# EAGLE board working (EAGLE 9.6.2), part 19 of 28
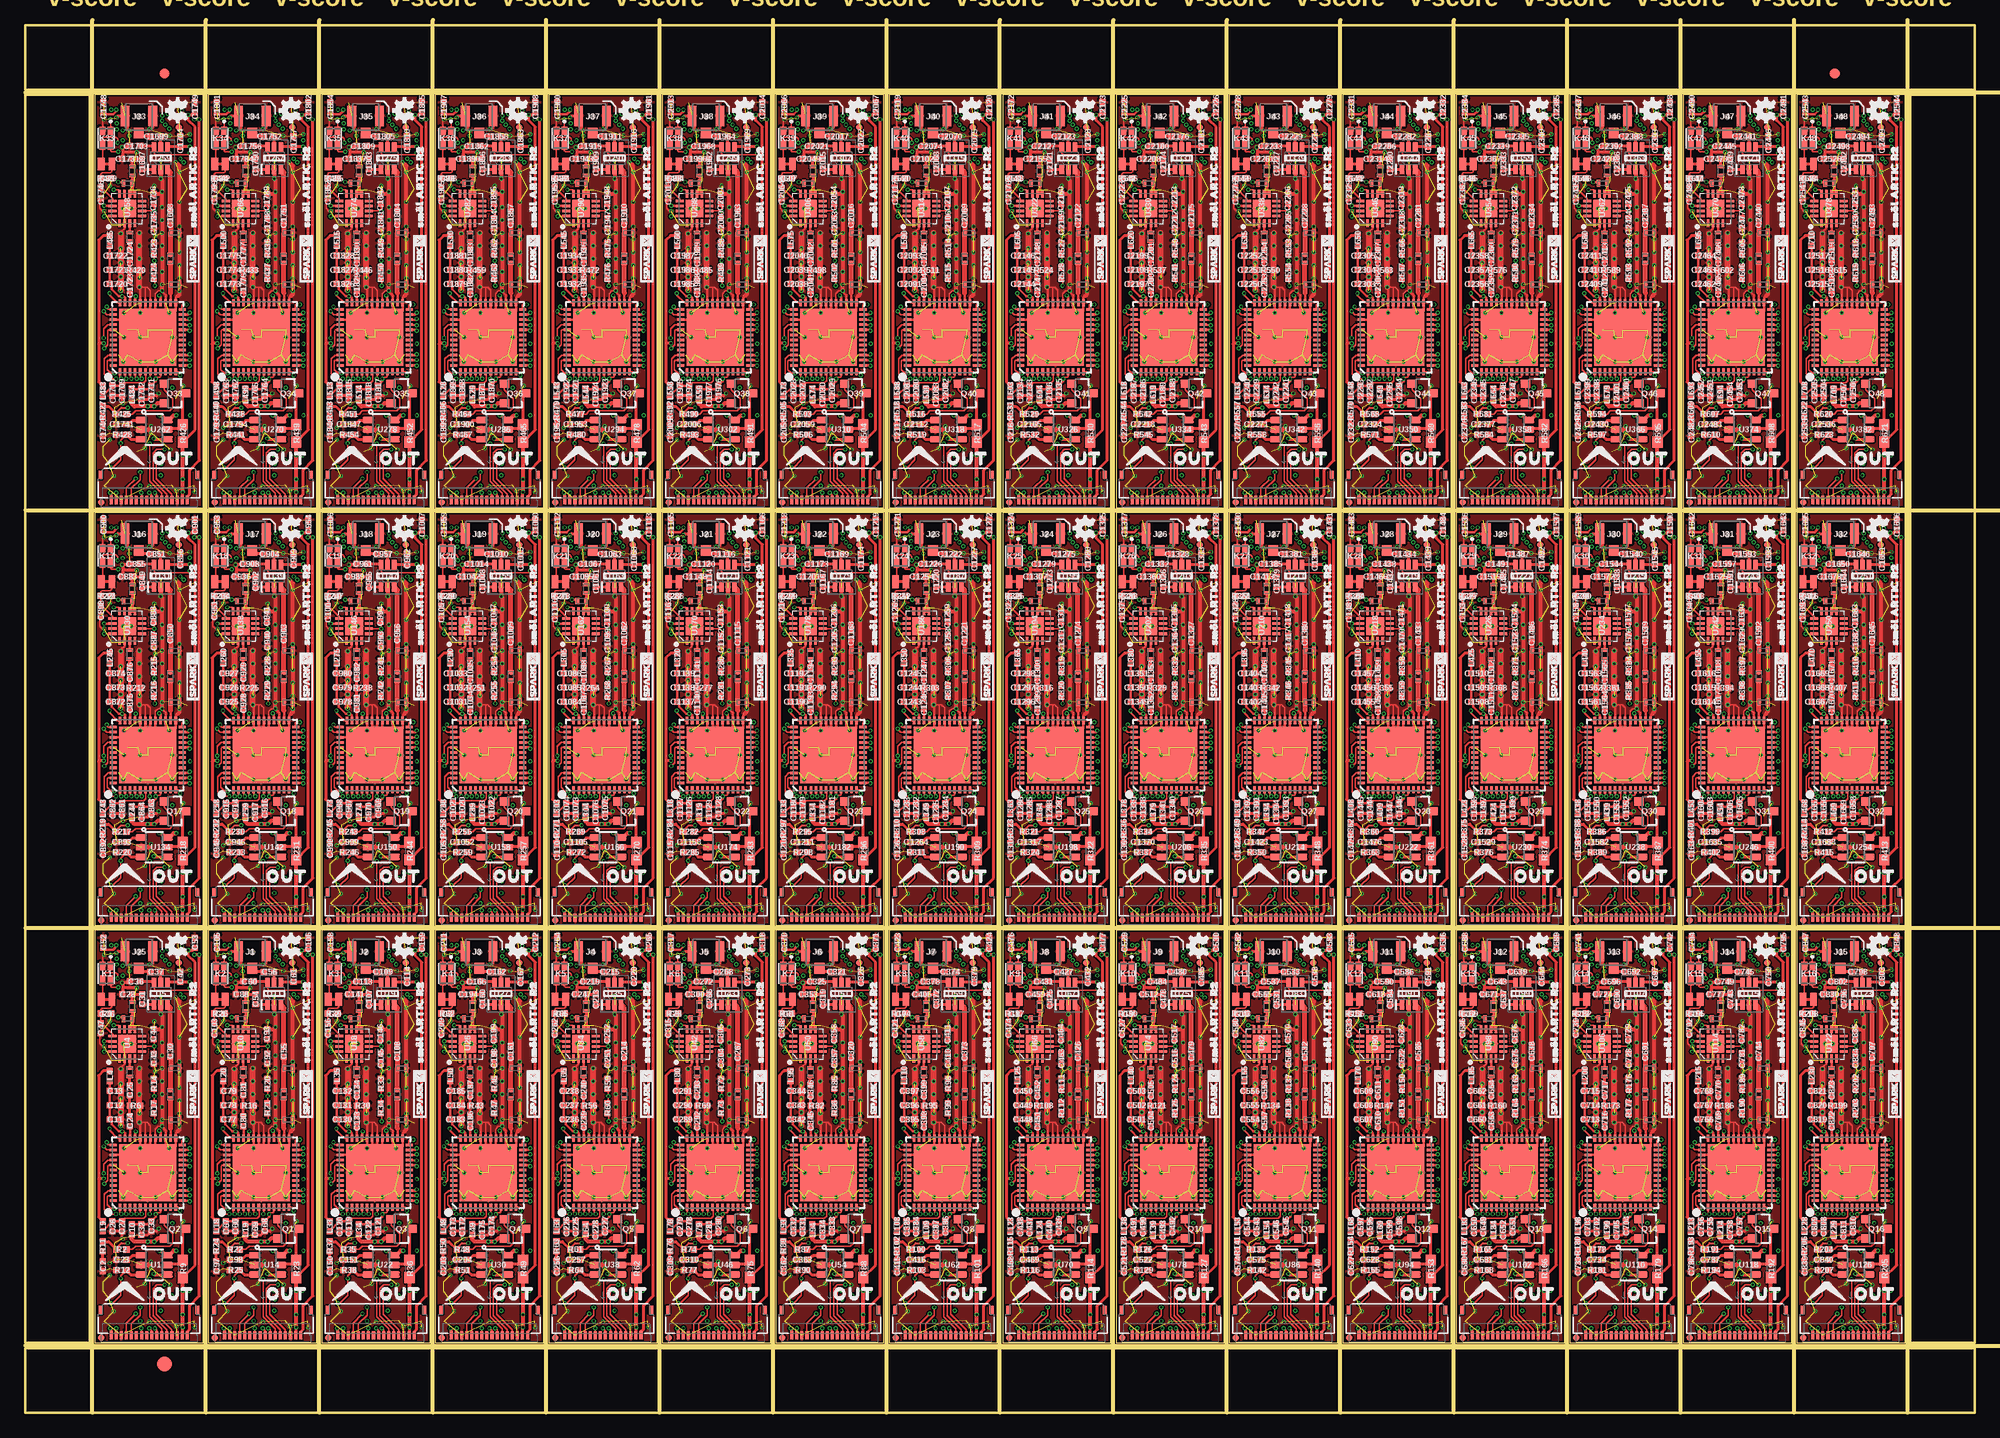
[diagram p0: board, top side]
## Tracks (layer width: path | path; a pad name or v marks a point on that pad's centre or on a via) (continued)
GPIO2  (via drill 0.2) (continued)
  Top 0.152: R25.1 21.14,14.03 20.57,13.46 v20.57,13.21 20.57,11.56 19.8,10.78 v19.61,10.78
  Top 0.305: R25.1 21.58,13.59 U14.3
  Route15 0.127: v21.42,43.48 19.86,43.48 19.61,43.23 19.61,40.19 20.71,39.09 20.71,37.84 20.15,37.28 20.15,34.9 19.61,34.36 19.61,29.23 20.14,28.7 20.14,27.68 20.51,27.31 20.51,21.65 19.47,20.61 19.47,17.04 20.57,15.94 v20.57,13.21
  Bottom 0.152: v21.42,43.48 21.74,43.48 22.62,44.36 IN1.10 | v19.61,10.78 19.48,10.65 18.68,10.65 GPIO1.1
GPIO3  (via drill 0.2)
  Top 0.152: OUT1.10 22.62,8.31 v22.61,8.32
  Route15 0.127: v20.76,44.01 20.5,43.74 19.51,43.74 19.33,43.56 19.33,39.34 20.27,38.41 20.27,37.86 19.87,37.46 19.87,35.05 19.33,34.51 19.33,29.11 19.86,28.58 19.86,27.57 20.25,27.17 20.25,21.79 19.21,20.75 19.21,16.9 19.89,16.23 19.89,11.04 20.18,10.74 22.64,10.74 22.87,10.51 22.87,8.58 v22.61,8.32
  Bottom 0.152: IN1.11 22.12,45.36 v20.76,44.01
GPIO4  (via drill 0.2)
  Top 0.152: R38.1 32.31,14.03 31.75,13.46 v31.75,13.21 31.75,11.56 30.97,10.78 v30.78,10.78
  Top 0.305: R38.1 32.76,13.59 U22.3
  Route15 0.127: v32.59,43.48 31.03,43.48 30.79,43.23 30.79,40.19 31.89,39.09 31.89,37.84 31.33,37.28 31.33,34.9 30.79,34.36 30.79,29.23 31.32,28.7 31.32,27.68 31.69,27.31 31.69,21.65 30.64,20.61 30.64,17.04 31.75,15.94 v31.75,13.21
  Bottom 0.152: v32.59,43.48 32.91,43.48 33.79,44.36 IN2.10 | v30.78,10.78 30.66,10.65 29.86,10.65 GPIO2.1
GPIO5  (via drill 0.2)
  Top 0.152: OUT2.10 33.79,8.31 v33.78,8.32
  Route15 0.127: v31.94,44.01 31.68,43.74 30.69,43.74 30.5,43.56 30.5,39.34 31.44,38.41 31.44,37.86 31.05,37.46 31.05,35.05 30.5,34.51 30.5,29.11 31.04,28.58 31.04,27.57 31.43,27.17 31.43,21.79 30.39,20.75 30.39,16.9 31.06,16.23 31.06,11.04 31.36,10.74 33.82,10.74 34.05,10.51 34.05,8.58 v33.78,8.32
  Bottom 0.152: IN2.11 33.29,45.36 v31.94,44.01
GPIO6  (via drill 0.2)
  Top 0.152: R51.1 43.49,14.03 42.93,13.46 v42.93,13.21 42.93,11.56 42.15,10.78 v41.96,10.78
  Top 0.305: R51.1 43.93,13.59 U30.3
  Route15 0.127: v43.77,43.48 42.21,43.48 41.96,43.23 41.96,40.19 43.06,39.09 43.06,37.84 42.5,37.28 42.5,34.9 41.96,34.36 41.96,29.23 42.49,28.7 42.49,27.68 42.86,27.31 42.86,21.65 41.82,20.61 41.82,17.04 42.93,15.94 v42.93,13.21
  Bottom 0.152: v43.77,43.48 44.09,43.48 44.97,44.36 IN3.10 | v41.96,10.78 41.83,10.65 41.03,10.65 GPIO3.1
GPIO7  (via drill 0.2)
  Top 0.152: OUT3.10 44.97,8.31 v44.96,8.32
  Route15 0.127: v43.12,44.01 42.85,43.74 41.86,43.74 41.68,43.56 41.68,39.34 42.62,38.41 42.62,37.86 42.23,37.46 42.23,35.05 41.68,34.51 41.68,29.11 42.21,28.58 42.21,27.57 42.61,27.17 42.61,21.79 41.57,20.75 41.57,16.9 42.24,16.23 42.24,11.04 42.53,10.74 44.99,10.74 45.22,10.51 45.22,8.58 v44.96,8.32
  Bottom 0.152: IN3.11 44.47,45.36 v43.12,44.01
GPIO8  (via drill 0.2)
  Top 0.152: R64.1 54.66,14.03 54.1,13.46 v54.1,13.21 54.1,11.56 53.33,10.78 v53.13,10.78
  Top 0.305: R64.1 55.11,13.59 U38.3
  Route15 0.127: v54.95,43.48 53.38,43.48 53.14,43.23 53.14,40.19 54.24,39.09 54.24,37.84 53.68,37.28 53.68,34.9 53.14,34.36 53.14,29.23 53.67,28.7 53.67,27.68 54.04,27.31 54.04,21.65 53,20.61 53,17.04 54.1,15.94 v54.1,13.21
  Bottom 0.152: v54.95,43.48 55.26,43.48 56.15,44.36 IN4.10 | v53.13,10.78 53.01,10.65 52.21,10.65 GPIO4.1
GPIO9  (via drill 0.2)
  Top 0.152: OUT4.10 56.15,8.31 v56.13,8.32
  Route15 0.127: v54.29,44.01 54.03,43.74 53.04,43.74 52.86,43.56 52.86,39.34 53.8,38.41 53.8,37.86 53.4,37.46 53.4,35.05 52.86,34.51 52.86,29.11 53.39,28.58 53.39,27.57 53.78,27.17 53.78,21.79 52.74,20.75 52.74,16.9 53.41,16.23 53.41,11.04 53.71,10.74 56.17,10.74 56.4,10.51 56.4,8.58 v56.13,8.32
  Bottom 0.152: IN4.11 55.65,45.36 v54.29,44.01
GPIO10  (via drill 0.2)
  Top 0.152: R77.1 65.84,14.03 65.28,13.46 v65.28,13.21 65.28,11.56 64.5,10.78 v64.31,10.78
  Top 0.305: R77.1 66.28,13.59 U46.3
  Route15 0.127: v66.12,43.48 64.56,43.48 64.31,43.23 64.31,40.19 65.42,39.09 65.42,37.84 64.86,37.28 64.86,34.9 64.31,34.36 64.31,29.23 64.84,28.7 64.84,27.68 65.21,27.31 65.21,21.65 64.17,20.61 64.17,17.04 65.28,15.94 v65.28,13.21
  Bottom 0.152: v66.12,43.48 66.44,43.48 67.32,44.36 IN5.10 | v64.31,10.78 64.18,10.65 63.39,10.65 GPIO5.1
GPIO11  (via drill 0.2)
  Top 0.152: OUT5.10 67.32,8.31 v67.31,8.32
  Route15 0.127: v65.47,44.01 65.2,43.74 64.21,43.74 64.03,43.56 64.03,39.34 64.97,38.41 64.97,37.86 64.58,37.46 64.58,35.05 64.03,34.51 64.03,29.11 64.56,28.58 64.56,27.57 64.96,27.17 64.96,21.79 63.92,20.75 63.92,16.9 64.59,16.23 64.59,11.04 64.89,10.74 67.34,10.74 67.58,10.51 67.58,8.58 v67.31,8.32
  Bottom 0.152: IN5.11 66.82,45.36 v65.47,44.01
GPIO12  (via drill 0.2)
  Top 0.152: R90.1 77.02,14.03 76.45,13.46 v76.45,13.21 76.45,11.56 75.68,10.78 v75.49,10.78
  Top 0.305: R90.1 77.46,13.59 U54.3
  Route15 0.127: v77.3,43.48 75.74,43.48 75.49,43.23 75.49,40.19 76.59,39.09 76.59,37.84 76.03,37.28 76.03,34.9 75.49,34.36 75.49,29.23 76.02,28.7 76.02,27.68 76.39,27.31 76.39,21.65 75.35,20.61 75.35,17.04 76.45,15.94 v76.45,13.21
  Bottom 0.152: v77.3,43.48 77.62,43.48 78.5,44.36 IN6.10 | v75.49,10.78 75.36,10.65 74.56,10.65 GPIO6.1
GPIO13  (via drill 0.2)
  Top 0.152: OUT6.10 78.5,8.31 v78.49,8.32
  Route15 0.127: v76.65,44.01 76.38,43.74 75.39,43.74 75.21,43.56 75.21,39.34 76.15,38.41 76.15,37.86 75.75,37.46 75.75,35.05 75.21,34.51 75.21,29.11 75.74,28.58 75.74,27.57 76.14,27.17 76.14,21.79 75.09,20.75 75.09,16.9 75.77,16.23 75.77,11.04 76.06,10.74 78.52,10.74 78.75,10.51 78.75,8.58 v78.49,8.32
  Bottom 0.152: IN6.11 78,45.36 v76.65,44.01
GPIO14  (via drill 0.2)
  Top 0.152: R103.1 88.19,14.03 87.63,13.46 v87.63,13.21 87.63,11.56 86.85,10.78 v86.66,10.78
  Top 0.305: R103.1 88.64,13.59 U62.3
  Route15 0.127: v88.48,43.48 86.91,43.48 86.67,43.23 86.67,40.19 87.77,39.09 87.77,37.84 87.21,37.28 87.21,34.9 86.67,34.36 86.67,29.23 87.2,28.7 87.2,27.68 87.56,27.31 87.56,21.65 86.53,20.61 86.53,17.04 87.63,15.94 v87.63,13.21
  Bottom 0.152: v88.48,43.48 88.79,43.48 89.67,44.36 IN7.10 | v86.66,10.78 86.54,10.65 85.74,10.65 GPIO7.1
GPIO15  (via drill 0.2)
  Top 0.152: OUT7.10 89.67,8.31 v89.66,8.32
  Route15 0.127: v87.82,44.01 87.56,43.74 86.56,43.74 86.39,43.56 86.39,39.34 87.32,38.41 87.32,37.86 86.93,37.46 86.93,35.05 86.39,34.51 86.39,29.11 86.92,28.58 86.92,27.57 87.31,27.17 87.31,21.79 86.27,20.75 86.27,16.9 86.94,16.23 86.94,11.04 87.24,10.74 89.7,10.74 89.93,10.51 89.93,8.58 v89.66,8.32
  Bottom 0.152: IN7.11 89.17,45.36 v87.82,44.01
GPIO16  (via drill 0.2)
  Top 0.152: R116.1 99.37,14.03 98.81,13.46 v98.81,13.21 98.81,11.56 98.03,10.78 v97.84,10.78
  Top 0.305: R116.1 99.81,13.59 U70.3
  Route15 0.127: v99.65,43.48 98.09,43.48 97.84,43.23 97.84,40.19 98.94,39.09 98.94,37.84 98.39,37.28 98.39,34.9 97.84,34.36 97.84,29.23 98.37,28.7 98.37,27.68 98.74,27.31 98.74,21.65 97.7,20.61 97.7,17.04 98.81,15.94 v98.81,13.21
  Bottom 0.152: v99.65,43.48 99.97,43.48 100.85,44.36 IN8.10 | v97.84,10.78 97.71,10.65 96.92,10.65 GPIO8.1
GPIO17  (via drill 0.2)
  Top 0.152: OUT8.10 100.85,8.31 v100.84,8.32
  Route15 0.127: v99,44.01 98.73,43.74 97.74,43.74 97.56,43.56 97.56,39.34 98.5,38.41 98.5,37.86 98.11,37.46 98.11,35.05 97.56,34.51 97.56,29.11 98.09,28.58 98.09,27.57 98.49,27.17 98.49,21.79 97.45,20.75 97.45,16.9 98.12,16.23 98.12,11.04 98.41,10.74 100.87,10.74 101.1,10.51 101.1,8.58 v100.84,8.32
  Bottom 0.152: IN8.11 100.35,45.36 v99,44.01
GPIO18  (via drill 0.2)
  Top 0.152: R129.1 110.55,14.03 109.98,13.46 v109.98,13.21 109.98,11.56 109.21,10.78 v109.02,10.78
  Top 0.305: R129.1 110.99,13.59 U78.3
  Route15 0.127: v110.83,43.48 109.26,43.48 109.02,43.23 109.02,40.19 110.12,39.09 110.12,37.84 109.56,37.28 109.56,34.9 109.02,34.36 109.02,29.23 109.55,28.7 109.55,27.68 109.92,27.31 109.92,21.65 108.88,20.61 108.88,17.04 109.98,15.94 v109.98,13.21
  Bottom 0.152: v110.83,43.48 111.14,43.48 112.03,44.36 IN9.10 | v109.02,10.78 108.89,10.65 108.09,10.65 GPIO9.1
GPIO19  (via drill 0.2)
  Top 0.152: OUT9.10 112.03,8.31 v112.01,8.32
  Route15 0.127: v110.17,44.01 109.91,43.74 108.92,43.74 108.74,43.56 108.74,39.34 109.68,38.41 109.68,37.86 109.28,37.46 109.28,35.05 108.74,34.51 108.74,29.11 109.27,28.58 109.27,27.57 109.66,27.17 109.66,21.79 108.62,20.75 108.62,16.9 109.3,16.23 109.3,11.04 109.59,10.74 112.05,10.74 112.28,10.51 112.28,8.58 v112.01,8.32
  Bottom 0.152: IN9.11 111.53,45.36 v110.17,44.01
GPIO20  (via drill 0.2)
  Top 0.152: R142.1 121.72,14.03 121.16,13.46 v121.16,13.21 121.16,11.56 120.38,10.78 v120.19,10.78
  Top 0.305: R142.1 122.16,13.59 U86.3
  Route15 0.127: v122,43.48 120.44,43.48 120.19,43.23 120.19,40.19 121.3,39.09 121.3,37.84 120.74,37.28 120.74,34.9 120.19,34.36 120.19,29.23 120.72,28.7 120.72,27.68 121.09,27.31 121.09,21.65 120.05,20.61 120.05,17.04 121.16,15.94 v121.16,13.21
  Bottom 0.152: v122,43.48 122.32,43.48 123.2,44.36 IN10.10 | v120.19,10.78 120.06,10.65 119.27,10.65 GPIO10.1
GPIO21  (via drill 0.2)
  Top 0.152: OUT10.10 123.2,8.31 v123.19,8.32
  Route15 0.127: v121.35,44.01 121.08,43.74 120.09,43.74 119.91,43.56 119.91,39.34 120.85,38.41 120.85,37.86 120.46,37.46 120.46,35.05 119.91,34.51 119.91,29.11 120.44,28.58 120.44,27.57 120.84,27.17 120.84,21.79 119.8,20.75 119.8,16.9 120.47,16.23 120.47,11.04 120.77,10.74 123.23,10.74 123.45,10.51 123.45,8.58 v123.19,8.32
  Bottom 0.152: IN10.11 122.7,45.36 v121.35,44.01
GPIO22  (via drill 0.2)
  Top 0.152: R155.1 132.9,14.03 132.33,13.46 v132.33,13.21 132.33,11.56 131.56,10.78 v131.37,10.78
  Top 0.305: R155.1 133.34,13.59 U94.3
  Route15 0.127: v133.18,43.48 131.62,43.48 131.37,43.23 131.37,40.19 132.47,39.09 132.47,37.84 131.91,37.28 131.91,34.9 131.37,34.36 131.37,29.23 131.9,28.7 131.9,27.68 132.27,27.31 132.27,21.65 131.23,20.61 131.23,17.04 132.33,15.94 v132.33,13.21
  Bottom 0.152: v133.18,43.48 133.5,43.48 134.38,44.36 IN11.10 | v131.37,10.78 131.24,10.65 130.44,10.65 GPIO11.1
GPIO23  (via drill 0.2)
  Top 0.152: OUT11.10 134.38,8.31 v134.37,8.32
  Route15 0.127: v132.52,44.01 132.26,43.74 131.27,43.74 131.09,43.56 131.09,39.34 132.03,38.41 132.03,37.86 131.63,37.46 131.63,35.05 131.09,34.51 131.09,29.11 131.62,28.58 131.62,27.57 132.01,27.17 132.01,21.79 130.97,20.75 130.97,16.9 131.65,16.23 131.65,11.04 131.94,10.74 134.4,10.74 134.63,10.51 134.63,8.58 v134.37,8.32
  Bottom 0.152: IN11.11 133.88,45.36 v132.52,44.01
GPIO24  (via drill 0.2)
  Top 0.152: R168.1 144.07,14.03 143.51,13.46 v143.51,13.21 143.51,11.56 142.73,10.78 v142.54,10.78
  Top 0.305: R168.1 144.52,13.59 U102.3
  Route15 0.127: v144.35,43.48 142.79,43.48 142.55,43.23 142.55,40.19 143.65,39.09 143.65,37.84 143.09,37.28 143.09,34.9 142.55,34.36 142.55,29.23 143.08,28.7 143.08,27.68 143.44,27.31 143.44,21.65 142.41,20.61 142.41,17.04 143.51,15.94 v143.51,13.21
  Bottom 0.152: v144.35,43.48 144.67,43.48 145.55,44.36 IN12.10 | v142.54,10.78 142.42,10.65 141.62,10.65 GPIO12.1
GPIO25  (via drill 0.2)
  Top 0.152: OUT12.10 145.55,8.31 v145.54,8.32
  Route15 0.127: v143.7,44.01 143.44,43.74 142.44,43.74 142.27,43.56 142.27,39.34 143.2,38.41 143.2,37.86 142.81,37.46 142.81,35.05 142.27,34.51 142.27,29.11 142.8,28.58 142.8,27.57 143.19,27.17 143.19,21.79 142.15,20.75 142.15,16.9 142.82,16.23 142.82,11.04 143.12,10.74 145.58,10.74 145.81,10.51 145.81,8.58 v145.54,8.32
  Bottom 0.152: IN12.11 145.05,45.36 v143.7,44.01
GPIO26  (via drill 0.2)
  Top 0.152: R181.1 155.25,14.03 154.69,13.46 v154.69,13.21 154.69,11.56 153.91,10.78 v153.72,10.78
  Top 0.305: R181.1 155.69,13.59 U110.3
  Route15 0.127: v155.53,43.48 153.97,43.48 153.72,43.23 153.72,40.19 154.82,39.09 154.82,37.84 154.27,37.28 154.27,34.9 153.72,34.36 153.72,29.23 154.25,28.7 154.25,27.68 154.62,27.31 154.62,21.65 153.58,20.61 153.58,17.04 154.69,15.94 v154.69,13.21
  Bottom 0.152: v155.53,43.48 155.85,43.48 156.73,44.36 IN13.10 | v153.72,10.78 153.59,10.65 152.8,10.65 GPIO13.1
GPIO27  (via drill 0.2)
  Top 0.152: OUT13.10 156.73,8.31 v156.72,8.32
  Route15 0.127: v154.88,44.01 154.61,43.74 153.62,43.74 153.44,43.56 153.44,39.34 154.38,38.41 154.38,37.86 153.99,37.46 153.99,35.05 153.44,34.51 153.44,29.11 153.97,28.58 153.97,27.57 154.37,27.17 154.37,21.79 153.33,20.75 153.33,16.9 154,16.23 154,11.04 154.29,10.74 156.75,10.74 156.98,10.51 156.98,8.58 v156.72,8.32
  Bottom 0.152: IN13.11 156.23,45.36 v154.88,44.01
GPIO28  (via drill 0.2)
  Top 0.152: R194.1 166.43,14.03 165.86,13.46 v165.86,13.21 165.86,11.56 165.09,10.78 v164.9,10.78
  Top 0.305: R194.1 166.87,13.59 U118.3
  Route15 0.127: v166.71,43.48 165.14,43.48 164.9,43.23 164.9,40.19 166,39.09 166,37.84 165.44,37.28 165.44,34.9 164.9,34.36 164.9,29.23 165.43,28.7 165.43,27.68 165.8,27.31 165.8,21.65 164.76,20.61 164.76,17.04 165.86,15.94 v165.86,13.21
  Bottom 0.152: v166.71,43.48 167.02,43.48 167.91,44.36 IN14.10 | v164.9,10.78 164.77,10.65 163.97,10.65 GPIO14.1
GPIO29  (via drill 0.2)
  Top 0.152: OUT14.10 167.91,8.31 v167.89,8.32
  Route15 0.127: v166.05,44.01 165.79,43.74 164.8,43.74 164.62,43.56 164.62,39.34 165.56,38.41 165.56,37.86 165.16,37.46 165.16,35.05 164.62,34.51 164.62,29.11 165.15,28.58 165.15,27.57 165.54,27.17 165.54,21.79 164.5,20.75 164.5,16.9 165.18,16.23 165.18,11.04 165.47,10.74 167.93,10.74 168.16,10.51 168.16,8.58 v167.89,8.32
  Bottom 0.152: IN14.11 167.41,45.36 v166.05,44.01
GPIO30  (via drill 0.2)
  Top 0.152: R207.1 177.6,14.03 177.04,13.46 v177.04,13.21 177.04,11.56 176.26,10.78 v176.07,10.78
  Top 0.305: R207.1 178.04,13.59 U126.3
  Route15 0.127: v177.88,43.48 176.32,43.48 176.07,43.23 176.07,40.19 177.18,39.09 177.18,37.84 176.62,37.28 176.62,34.9 176.07,34.36 176.07,29.23 176.6,28.7 176.6,27.68 176.97,27.31 176.97,21.65 175.93,20.61 175.93,17.04 177.04,15.94 v177.04,13.21
  Bottom 0.152: v177.88,43.48 178.2,43.48 179.08,44.36 IN15.10 | v176.07,10.78 175.94,10.65 175.15,10.65 GPIO15.1
GPIO31  (via drill 0.2)
  Top 0.152: OUT15.10 179.08,8.31 v179.07,8.32
  Route15 0.127: v177.23,44.01 176.96,43.74 175.97,43.74 175.79,43.56 175.79,39.34 176.73,38.41 176.73,37.86 176.34,37.46 176.34,35.05 175.79,34.51 175.79,29.11 176.32,28.58 176.32,27.57 176.72,27.17 176.72,21.79 175.68,20.75 175.68,16.9 176.35,16.23 176.35,11.04 176.65,10.74 179.11,10.74 179.34,10.51 179.34,8.58 v179.07,8.32
  Bottom 0.152: IN15.11 178.58,45.36 v177.23,44.01
GPIO32  (via drill 0.2)
  Top 0.152: R220.1 9.4,54.61 v9.4,54.36 9.4,52.7 8.62,51.93 v8.43,51.93
  Top 0.305: R220.1 10.4,54.74 U134.3
  Route15 0.127: v10.24,84.63 8.68,84.63 8.43,84.38 8.43,81.34 9.54,80.24 9.54,78.99 8.98,78.43 8.98,76.05 8.43,75.51 8.43,70.38 8.96,69.85 8.96,68.83 9.33,68.46 9.33,62.8 8.29,61.76 8.29,58.19 9.4,57.08 v9.4,54.36
  Bottom 0.152: v10.24,84.63 10.56,84.63 11.44,85.51 IN16.10 | v8.43,51.93 8.3,51.8 7.51,51.8 GPIO16.1
GPIO33  (via drill 0.2)
  Top 0.152: OUT16.10 11.44,49.45 v11.43,49.47
  Route15 0.127: v9.59,85.15 9.32,84.89 8.33,84.89 8.15,84.71 8.15,80.49 9.09,79.55 9.09,79.01 8.7,78.61 8.7,76.2 8.15,75.66 8.15,70.26 8.68,69.73 8.68,68.71 9.08,68.32 9.08,62.94 8.04,61.9 8.04,58.05 8.71,57.38 8.71,52.19 9.01,51.89 11.46,51.89 11.7,51.66 11.7,49.73 v11.43,49.47
  Bottom 0.152: IN16.11 10.94,86.51 v9.59,85.15
GPIO34  (via drill 0.2)
  Top 0.152: R233.1 20.57,54.61 v20.57,54.36 20.57,52.7 19.8,51.93 v19.61,51.93
  Top 0.305: R233.1 21.58,54.74 U142.3
  Route15 0.127: v21.42,84.63 19.86,84.63 19.61,84.38 19.61,81.34 20.71,80.24 20.71,78.99 20.15,78.43 20.15,76.05 19.61,75.51 19.61,70.38 20.14,69.85 20.14,68.83 20.51,68.46 20.51,62.8 19.47,61.76 19.47,58.19 20.57,57.08 v20.57,54.36
  Bottom 0.152: v21.42,84.63 21.74,84.63 22.62,85.51 IN17.10 | v19.61,51.93 19.48,51.8 18.68,51.8 GPIO17.1
GPIO35  (via drill 0.2)
  Top 0.152: OUT17.10 22.62,49.45 v22.61,49.47
  Route15 0.127: v20.76,85.15 20.5,84.89 19.51,84.89 19.33,84.71 19.33,80.49 20.27,79.55 20.27,79.01 19.87,78.61 19.87,76.2 19.33,75.66 19.33,70.26 19.86,69.73 19.86,68.71 20.25,68.32 20.25,62.94 19.21,61.9 19.21,58.05 19.89,57.38 19.89,52.19 20.18,51.89 22.64,51.89 22.87,51.66 22.87,49.73 v22.61,49.47
  Bottom 0.152: IN17.11 22.12,86.51 v20.76,85.15
GPIO36  (via drill 0.2)
  Top 0.152: R246.1 31.75,54.61 v31.75,54.36 31.75,52.7 30.97,51.93 v30.78,51.93
  Top 0.305: R246.1 32.76,54.74 U150.3
  Route15 0.127: v32.59,84.63 31.03,84.63 30.79,84.38 30.79,81.34 31.89,80.24 31.89,78.99 31.33,78.43 31.33,76.05 30.79,75.51 30.79,70.38 31.32,69.85 31.32,68.83 31.69,68.46 31.69,62.8 30.64,61.76 30.64,58.19 31.75,57.08 v31.75,54.36
  Bottom 0.152: v32.59,84.63 32.91,84.63 33.79,85.51 IN18.10 | v30.78,51.93 30.66,51.8 29.86,51.8 GPIO18.1
GPIO37  (via drill 0.2)
  Top 0.152: OUT18.10 33.79,49.45 v33.78,49.47
  Route15 0.127: v31.94,85.15 31.68,84.89 30.69,84.89 30.5,84.71 30.5,80.49 31.44,79.55 31.44,79.01 31.05,78.61 31.05,76.2 30.5,75.66 30.5,70.26 31.04,69.73 31.04,68.71 31.43,68.32 31.43,62.94 30.39,61.9 30.39,58.05 31.06,57.38 31.06,52.19 31.36,51.89 33.82,51.89 34.05,51.66 34.05,49.73 v33.78,49.47
  Bottom 0.152: IN18.11 33.29,86.51 v31.94,85.15
GPIO38  (via drill 0.2)
  Top 0.152: R259.1 42.93,54.61 v42.93,54.36 42.93,52.7 42.15,51.93 v41.96,51.93
  Top 0.305: R259.1 43.93,54.74 U158.3
  Route15 0.127: v43.77,84.63 42.21,84.63 41.96,84.38 41.96,81.34 43.06,80.24 43.06,78.99 42.5,78.43 42.5,76.05 41.96,75.51 41.96,70.38 42.49,69.85 42.49,68.83 42.86,68.46 42.86,62.8 41.82,61.76 41.82,58.19 42.93,57.08 v42.93,54.36
  Bottom 0.152: v43.77,84.63 44.09,84.63 44.97,85.51 IN19.10 | v41.96,51.93 41.83,51.8 41.03,51.8 GPIO19.1
GPIO39  (via drill 0.2)
  Top 0.152: OUT19.10 44.97,49.45 v44.96,49.47
  Route15 0.127: v43.12,85.15 42.85,84.89 41.86,84.89 41.68,84.71 41.68,80.49 42.62,79.55 42.62,79.01 42.23,78.61 42.23,76.2 41.68,75.66 41.68,70.26 42.21,69.73 42.21,68.71 42.61,68.32 42.61,62.94 41.57,61.9 41.57,58.05 42.24,57.38 42.24,52.19 42.53,51.89 44.99,51.89 45.22,51.66 45.22,49.73 v44.96,49.47
  Bottom 0.152: IN19.11 44.47,86.51 v43.12,85.15
GPIO40  (via drill 0.2)
  Top 0.152: R272.1 54.1,54.61 v54.1,54.36 54.1,52.7 53.33,51.93 v53.13,51.93
  Top 0.305: R272.1 55.11,54.74 U166.3
  Route15 0.127: v54.95,84.63 53.38,84.63 53.14,84.38 53.14,81.34 54.24,80.24 54.24,78.99 53.68,78.43 53.68,76.05 53.14,75.51 53.14,70.38 53.67,69.85 53.67,68.83 54.04,68.46 54.04,62.8 53,61.76 53,58.19 54.1,57.08 v54.1,54.36
  Bottom 0.152: v54.95,84.63 55.26,84.63 56.15,85.51 IN20.10 | v53.13,51.93 53.01,51.8 52.21,51.8 GPIO20.1
GPIO41  (via drill 0.2)
  Top 0.152: OUT20.10 56.15,49.45 v56.13,49.47
  Route15 0.127: v54.29,85.15 54.03,84.89 53.04,84.89 52.86,84.71 52.86,80.49 53.8,79.55 53.8,79.01 53.4,78.61 53.4,76.2 52.86,75.66 52.86,70.26 53.39,69.73 53.39,68.71 53.78,68.32 53.78,62.94 52.74,61.9 52.74,58.05 53.41,57.38 53.41,52.19 53.71,51.89 56.17,51.89 56.4,51.66 56.4,49.73 v56.13,49.47
  Bottom 0.152: IN20.11 55.65,86.51 v54.29,85.15
GPIO42  (via drill 0.2)
  Top 0.152: R285.1 65.28,54.61 v65.28,54.36 65.28,52.7 64.5,51.93 v64.31,51.93
  Top 0.305: R285.1 66.28,54.74 U174.3
  Route15 0.127: v66.12,84.63 64.56,84.63 64.31,84.38 64.31,81.34 65.42,80.24 65.42,78.99 64.86,78.43 64.86,76.05 64.31,75.51 64.31,70.38 64.84,69.85 64.84,68.83 65.21,68.46 65.21,62.8 64.17,61.76 64.17,58.19 65.28,57.08 v65.28,54.36
  Bottom 0.152: v66.12,84.63 66.44,84.63 67.32,85.51 IN21.10 | v64.31,51.93 64.18,51.8 63.39,51.8 GPIO21.1
GPIO43  (via drill 0.2)
  Top 0.152: OUT21.10 67.32,49.45 v67.31,49.47
  Route15 0.127: v65.47,85.15 65.2,84.89 64.21,84.89 64.03,84.71 64.03,80.49 64.97,79.55 64.97,79.01 64.58,78.61 64.58,76.2 64.03,75.66 64.03,70.26 64.56,69.73 64.56,68.71 64.96,68.32 64.96,62.94 63.92,61.9 63.92,58.05 64.59,57.38 64.59,52.19 64.89,51.89 67.34,51.89 67.58,51.66 67.58,49.73 v67.31,49.47
  Bottom 0.152: IN21.11 66.82,86.51 v65.47,85.15
GPIO44  (via drill 0.2)
  Top 0.152: R298.1 76.45,54.61 v76.45,54.36 76.45,52.7 75.68,51.93 v75.49,51.93
  Top 0.305: R298.1 77.46,54.74 U182.3
  Route15 0.127: v77.3,84.63 75.74,84.63 75.49,84.38 75.49,81.34 76.59,80.24 76.59,78.99 76.03,78.43 76.03,76.05 75.49,75.51 75.49,70.38 76.02,69.85 76.02,68.83 76.39,68.46 76.39,62.8 75.35,61.76 75.35,58.19 76.45,57.08 v76.45,54.36
  Bottom 0.152: v77.3,84.63 77.62,84.63 78.5,85.51 IN22.10 | v75.49,51.93 75.36,51.8 74.56,51.8 GPIO22.1
GPIO45  (via drill 0.2)
  Top 0.152: OUT22.10 78.5,49.45 v78.49,49.47
  Route15 0.127: v76.65,85.15 76.38,84.89 75.39,84.89 75.21,84.71 75.21,80.49 76.15,79.55 76.15,79.01 75.75,78.61 75.75,76.2 75.21,75.66 75.21,70.26 75.74,69.73 75.74,68.71 76.14,68.32 76.14,62.94 75.09,61.9 75.09,58.05 75.77,57.38 75.77,52.19 76.06,51.89 78.52,51.89 78.75,51.66 78.75,49.73 v78.49,49.47
  Bottom 0.152: IN22.11 78,86.51 v76.65,85.15
GPIO46  (via drill 0.2)
  Top 0.152: R311.1 87.63,54.61 v87.63,54.36 87.63,52.7 86.85,51.93 v86.66,51.93
  Top 0.305: R311.1 88.64,54.74 U190.3
  Route15 0.127: v88.48,84.63 86.91,84.63 86.67,84.38 86.67,81.34 87.77,80.24 87.77,78.99 87.21,78.43 87.21,76.05 86.67,75.51 86.67,70.38 87.2,69.85 87.2,68.83 87.56,68.46 87.56,62.8 86.53,61.76 86.53,58.19 87.63,57.08 v87.63,54.36
  Bottom 0.152: v88.48,84.63 88.79,84.63 89.67,85.51 IN23.10 | v86.66,51.93 86.54,51.8 85.74,51.8 GPIO23.1
GPIO47  (via drill 0.2)
  Top 0.152: OUT23.10 89.67,49.45 v89.66,49.47
  Route15 0.127: v87.82,85.15 87.56,84.89 86.56,84.89 86.39,84.71 86.39,80.49 87.32,79.55 87.32,79.01 86.93,78.61 86.93,76.2 86.39,75.66 86.39,70.26 86.92,69.73 86.92,68.71 87.31,68.32 87.31,62.94 86.27,61.9 86.27,58.05 86.94,57.38 86.94,52.19 87.24,51.89 89.7,51.89 89.93,51.66 89.93,49.73 v89.66,49.47
  Bottom 0.152: IN23.11 89.17,86.51 v87.82,85.15
GPIO48  (via drill 0.2)
  Top 0.152: R324.1 98.81,54.61 v98.81,54.36 98.81,52.7 98.03,51.93 v97.84,51.93
  Top 0.305: R324.1 99.81,54.74 U198.3
  Route15 0.127: v99.65,84.63 98.09,84.63 97.84,84.38 97.84,81.34 98.94,80.24 98.94,78.99 98.39,78.43 98.39,76.05 97.84,75.51 97.84,70.38 98.37,69.85 98.37,68.83 98.74,68.46 98.74,62.8 97.7,61.76 97.7,58.19 98.81,57.08 v98.81,54.36
  Bottom 0.152: v99.65,84.63 99.97,84.63 100.85,85.51 IN24.10 | v97.84,51.93 97.71,51.8 96.92,51.8 GPIO24.1
GPIO49  (via drill 0.2)
  Top 0.152: OUT24.10 100.85,49.45 v100.84,49.47
  Route15 0.127: v99,85.15 98.73,84.89 97.74,84.89 97.56,84.71 97.56,80.49 98.5,79.55 98.5,79.01 98.11,78.61 98.11,76.2 97.56,75.66 97.56,70.26 98.09,69.73 98.09,68.71 98.49,68.32 98.49,62.94 97.45,61.9 97.45,58.05 98.12,57.38 98.12,52.19 98.41,51.89 100.87,51.89 101.1,51.66 101.1,49.73 v100.84,49.47
  Bottom 0.152: IN24.11 100.35,86.51 v99,85.15
GPIO50  (via drill 0.2)
  Top 0.152: R337.1 109.98,54.61 v109.98,54.36 109.98,52.7 109.21,51.93 v109.02,51.93
  Top 0.305: R337.1 110.99,54.74 U206.3
  Route15 0.127: v110.83,84.63 109.26,84.63 109.02,84.38 109.02,81.34 110.12,80.24 110.12,78.99 109.56,78.43 109.56,76.05 109.02,75.51 109.02,70.38 109.55,69.85 109.55,68.83 109.92,68.46 109.92,62.8 108.88,61.76 108.88,58.19 109.98,57.08 v109.98,54.36
  Bottom 0.152: v110.83,84.63 111.14,84.63 112.03,85.51 IN25.10 | v109.02,51.93 108.89,51.8 108.09,51.8 GPIO25.1
GPIO51  (via drill 0.2)
  Top 0.152: OUT25.10 112.03,49.45 v112.01,49.47
  Route15 0.127: v110.17,85.15 109.91,84.89 108.92,84.89 108.74,84.71 108.74,80.49 109.68,79.55 109.68,79.01 109.28,78.61 109.28,76.2 108.74,75.66 108.74,70.26 109.27,69.73 109.27,68.71 109.66,68.32 109.66,62.94 108.62,61.9 108.62,58.05 109.3,57.38 109.3,52.19 109.59,51.89 112.05,51.89 112.28,51.66 112.28,49.73 v112.01,49.47
  Bottom 0.152: IN25.11 111.53,86.51 v110.17,85.15
GPIO52  (via drill 0.2)
  Top 0.152: R350.1 121.16,54.61 v121.16,54.36 121.16,52.7 120.38,51.93 v120.19,51.93
  Top 0.305: R350.1 122.16,54.74 U214.3
  Route15 0.127: v122,84.63 120.44,84.63 120.19,84.38 120.19,81.34 121.3,80.24 121.3,78.99 120.74,78.43 120.74,76.05 120.19,75.51 120.19,70.38 120.72,69.85 120.72,68.83 121.09,68.46 121.09,62.8 120.05,61.76 120.05,58.19 121.16,57.08 v121.16,54.36
  Bottom 0.152: v122,84.63 122.32,84.63 123.2,85.51 IN26.10 | v120.19,51.93 120.06,51.8 119.27,51.8 GPIO26.1
GPIO53  (via drill 0.2)
  Top 0.152: OUT26.10 123.2,49.45 v123.19,49.47
  Route15 0.127: v121.35,85.15 121.08,84.89 120.09,84.89 119.91,84.71 119.91,80.49 120.85,79.55 120.85,79.01 120.46,78.61 120.46,76.2 119.91,75.66 119.91,70.26 120.44,69.73 120.44,68.71 120.84,68.32 120.84,62.94 119.8,61.9 119.8,58.05 120.47,57.38 120.47,52.19 120.77,51.89 123.23,51.89 123.45,51.66 123.45,49.73 v123.19,49.47
  Bottom 0.152: IN26.11 122.7,86.51 v121.35,85.15
GPIO54  (via drill 0.2)
  Top 0.152: R363.1 132.33,54.61 v132.33,54.36 132.33,52.7 131.56,51.93 v131.37,51.93
  Top 0.305: R363.1 133.34,54.74 U222.3
  Route15 0.127: v133.18,84.63 131.62,84.63 131.37,84.38 131.37,81.34 132.47,80.24 132.47,78.99 131.91,78.43 131.91,76.05 131.37,75.51 131.37,70.38 131.9,69.85 131.9,68.83 132.27,68.46 132.27,62.8 131.23,61.76 131.23,58.19 132.33,57.08 v132.33,54.36
  Bottom 0.152: v133.18,84.63 133.5,84.63 134.38,85.51 IN27.10 | v131.37,51.93 131.24,51.8 130.44,51.8 GPIO27.1
GPIO55  (via drill 0.2)
  Top 0.152: OUT27.10 134.38,49.45 v134.37,49.47
  Route15 0.127: v132.52,85.15 132.26,84.89 131.27,84.89 131.09,84.71 131.09,80.49 132.03,79.55 132.03,79.01 131.63,78.61 131.63,76.2 131.09,75.66 131.09,70.26 131.62,69.73 131.62,68.71 132.01,68.32 132.01,62.94 130.97,61.9 130.97,58.05 131.65,57.38 131.65,52.19 131.94,51.89 134.4,51.89 134.63,51.66 134.63,49.73 v134.37,49.47